# KiCad board HYDRA_VMM3_Adapter.kicad_pcb (continued)
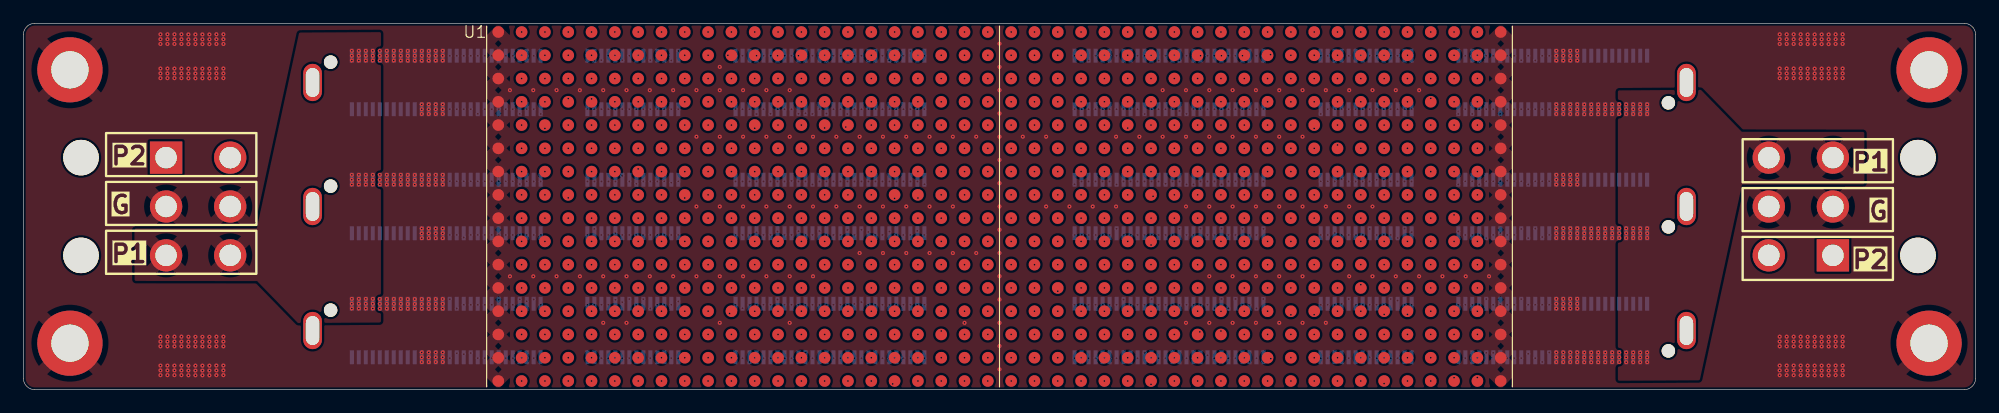
[diagram p0: board, top side]
## Nets (continued)
Col_19-Row_7: J5.B60 U1.295
Col_19-Row_8: J5.B59 U1.296
Col_19-Row_9: J5.A63 U1.297
Col_19-Row_10: J5.A64 U1.298
Col_19-Row_11: J6.B61 U1.299
Col_19-Row_12: J6.B60 U1.300
Col_19-Row_13: J6.B59 U1.301
Col_19-Row_14: J6.A59 U1.302
Col_19-Row_15: J6.A60 U1.303
Col_19-Row_16: J6.A61 U1.304
Col_20-Row_1: J4.B69 U1.305
Col_20-Row_2: J4.B70 U1.306
Col_20-Row_3: J4.A59 U1.307
Col_20-Row_4: J4.A60 U1.308
Col_20-Row_5: J4.A58 U1.309
Col_20-Row_6: J5.B64 U1.310
Col_20-Row_7: J5.B63 U1.311
Col_20-Row_8: J5.B62 U1.312
Col_20-Row_9: J5.A65 U1.313
Col_20-Row_10: J5.A66 U1.314
Col_20-Row_11: J6.B64 U1.315
Col_20-Row_12: J6.B63 U1.316
Col_20-Row_13: J6.B62 U1.317
Col_20-Row_14: J6.A62 U1.318
Col_20-Row_15: J6.A63 U1.319
Col_20-Row_16: J6.A64 U1.320
Col_21-Row_1: J4.A63 U1.321
Col_21-Row_2: J4.A64 U1.322
Col_21-Row_3: J4.A65 U1.323
Col_21-Row_4: J4.A62 U1.324
Col_21-Row_5: J4.A61 U1.325
Col_21-Row_6: J5.B67 U1.326
Col_21-Row_7: J5.B66 U1.327
Col_21-Row_8: J5.B65 U1.328
Col_21-Row_9: J5.A67 U1.329
Col_21-Row_10: J5.A68 U1.330
Col_21-Row_11: J6.B67 U1.331
Col_21-Row_12: J6.B66 U1.332
Col_21-Row_13: J6.B65 U1.333
Col_21-Row_14: J6.A65 U1.334
Col_21-Row_15: J6.A66 U1.335
Col_21-Row_16: J6.A67 U1.336
Col_22-Row_1: J4.A68 U1.337
Col_22-Row_2: J4.A69 U1.338
Col_22-Row_3: J4.A70 U1.339
Col_22-Row_4: J4.A67 U1.340
Col_22-Row_5: J4.A66 U1.341
Col_22-Row_6: J5.B70 U1.342
Col_22-Row_7: J5.B69 U1.343
Col_22-Row_8: J5.B68 U1.344
Col_22-Row_9: J5.A69 U1.345
Col_22-Row_10: J5.A70 U1.346
Col_22-Row_11: J6.B70 U1.347
Col_22-Row_12: J6.B69 U1.348
Col_22-Row_13: J6.B68 U1.349
Col_22-Row_14: J6.A68 U1.350
Col_22-Row_15: J6.A69 U1.351
Col_22-Row_16: J6.A70 U1.352
Col_23-Row_1: J1.B68 U1.353
Col_23-Row_2: J1.B69 U1.354
Col_23-Row_3: J1.B70 U1.355
Col_23-Row_4: J1.B67 U1.356
Col_23-Row_5: J1.B66 U1.357
Col_23-Row_6: J2.A68 U1.358
Col_23-Row_7: J2.A69 U1.359
Col_23-Row_8: J2.A70 U1.360
Col_23-Row_9: J2.B70 U1.361
Col_23-Row_10: J2.B69 U1.362
Col_23-Row_11: J3.A70 U1.363
Col_23-Row_12: J3.A69 U1.364
Col_23-Row_13: J3.A68 U1.365
Col_23-Row_14: J3.B68 U1.366
Col_23-Row_15: J3.B69 U1.367
Col_23-Row_16: J3.B70 U1.368
Col_24-Row_1: J1.B63 U1.369
Col_24-Row_2: J1.B64 U1.370
Col_24-Row_3: J1.B65 U1.371
Col_24-Row_4: J1.B62 U1.372
Col_24-Row_5: J1.B61 U1.373
Col_24-Row_6: J2.A65 U1.374
Col_24-Row_7: J2.A66 U1.375
Col_24-Row_8: J2.A67 U1.376
Col_24-Row_9: J2.B68 U1.377
Col_24-Row_10: J2.B67 U1.378
Col_24-Row_11: J3.A67 U1.379
Col_24-Row_12: J3.A66 U1.380
Col_24-Row_13: J3.A65 U1.381
Col_24-Row_14: J3.B65 U1.382
Col_24-Row_15: J3.B66 U1.383
Col_24-Row_16: J3.B67 U1.384
Col_25-Row_1: J1.A69 U1.385
Col_25-Row_2: J1.A70 U1.386
Col_25-Row_3: J1.B59 U1.387
Col_25-Row_4: J1.B60 U1.388
Col_25-Row_5: J1.B58 U1.389
Col_25-Row_6: J2.A62 U1.390
Col_25-Row_7: J2.A63 U1.391
Col_25-Row_8: J2.A64 U1.392
Col_25-Row_9: J2.B66 U1.393
Col_25-Row_10: J2.B65 U1.394
Col_25-Row_11: J3.A64 U1.395
Col_25-Row_12: J3.A63 U1.396
Col_25-Row_13: J3.A62 U1.397
Col_25-Row_14: J3.B62 U1.398
Col_25-Row_15: J3.B63 U1.399
Col_25-Row_16: J3.B64 U1.400
Col_26-Row_1: J1.A66 U1.401
Col_26-Row_2: J1.A67 U1.402
Col_26-Row_3: J1.A68 U1.403
Col_26-Row_4: J1.B57 U1.404
Col_26-Row_5: J1.B56 U1.405
Col_26-Row_6: J2.A59 U1.406
Col_26-Row_7: J2.A60 U1.407
Col_26-Row_8: J2.A61 U1.408
Col_26-Row_9: J2.B64 U1.409
Col_26-Row_10: J2.B63 U1.410
Col_26-Row_11: J3.A61 U1.411
Col_26-Row_12: J3.A60 U1.412
Col_26-Row_13: J3.A59 U1.413
Col_26-Row_14: J3.B59 U1.414
Col_26-Row_15: J3.B60 U1.415
Col_26-Row_16: J3.B61 U1.416
Col_27-Row_1: J1.A63 U1.417
Col_27-Row_2: J1.A64 U1.418
Col_27-Row_3: J1.A65 U1.419
Col_27-Row_4: J1.B55 U1.420
Col_27-Row_5: J1.B54 U1.421
Col_27-Row_6: J2.A56 U1.422
Col_27-Row_7: J2.A57 U1.423
Col_27-Row_8: J2.A58 U1.424
Col_27-Row_9: J2.B62 U1.425
Col_27-Row_10: J2.B61 U1.426
Col_27-Row_11: J3.A58 U1.427
Col_27-Row_12: J3.A57 U1.428
Col_27-Row_13: J3.A56 U1.429
Col_27-Row_14: J3.B56 U1.430
Col_27-Row_15: J3.B57 U1.431
Col_27-Row_16: J3.B58 U1.432
Col_28-Row_1: J1.A60 U1.433
Col_28-Row_2: J1.A61 U1.434
Col_28-Row_3: J1.A62 U1.435
Col_28-Row_4: J1.B53 U1.436
Col_28-Row_5: J1.B52 U1.437
Col_28-Row_6: J2.A53 U1.438
Col_28-Row_7: J2.A54 U1.439
Col_28-Row_8: J2.A55 U1.440
Col_28-Row_9: J2.B60 U1.441
Col_28-Row_10: J2.B59 U1.442
Col_28-Row_11: J3.A55 U1.443
Col_28-Row_12: J3.A54 U1.444
Col_28-Row_13: J3.A53 U1.445
Col_28-Row_14: J3.B53 U1.446
Col_28-Row_15: J3.B54 U1.447
Col_28-Row_16: J3.B55 U1.448
Col_29-Row_1: J1.A57 U1.449
Col_29-Row_2: J1.A58 U1.450
Col_29-Row_3: J1.A59 U1.451
Col_29-Row_4: J1.B51 U1.452
Col_29-Row_5: J1.B50 U1.453
Col_29-Row_6: J2.A50 U1.454
Col_29-Row_7: J2.A51 U1.455
Col_29-Row_8: J2.A52 U1.456
Col_29-Row_9: J2.B58 U1.457
Col_29-Row_10: J2.B57 U1.458
Col_29-Row_11: J3.A52 U1.459
Col_29-Row_12: J3.A51 U1.460
Col_29-Row_13: J3.A50 U1.461
Col_29-Row_14: J3.B50 U1.462
Col_29-Row_15: J3.B51 U1.463
Col_29-Row_16: J3.B52 U1.464
Col_30-Row_1: J1.A54 U1.465
Col_30-Row_2: J1.A55 U1.466
Col_30-Row_3: J1.A56 U1.467
Col_30-Row_4: J1.B49 U1.468
Col_30-Row_5: J1.B48 U1.469
Col_30-Row_6: J2.A47 U1.470
Col_30-Row_7: J2.A48 U1.471
Col_30-Row_8: J2.A49 U1.472
Col_30-Row_9: J2.B56 U1.473
Col_30-Row_10: J2.B55 U1.474
Col_30-Row_11: J2.B54 U1.475
Col_30-Row_12: J3.A49 U1.476
Col_30-Row_13: J3.A48 U1.477
Col_30-Row_14: J3.B47 U1.478
Col_30-Row_15: J3.B48 U1.479
Col_30-Row_16: J3.B49 U1.480
Col_31-Row_1: J1.A51 U1.481
Col_31-Row_2: J1.A52 U1.482
Col_31-Row_3: J1.A53 U1.483
Col_31-Row_4: J1.B47 U1.484
Col_31-Row_5: J1.B46 U1.485
Col_31-Row_6: J2.A44 U1.486
Col_31-Row_7: J2.A45 U1.487
Col_31-Row_8: J2.A46 U1.488
Col_31-Row_9: J2.B53 U1.489
Col_31-Row_10: J2.B52 U1.490
Col_31-Row_11: J2.B51 U1.491
Col_31-Row_12: J3.A47 U1.492
Col_31-Row_13: J3.A46 U1.493
Col_31-Row_14: J3.B44 U1.494
Col_31-Row_15: J3.B45 U1.495
Col_31-Row_16: J3.B46 U1.496
Col_32-Row_1: J1.A48 U1.497
Col_32-Row_2: J1.A49 U1.498
Col_32-Row_3: J1.A50 U1.499
Col_32-Row_4: J1.B45 U1.500
Col_32-Row_5: J1.B44 U1.501
Col_32-Row_6: J2.A41 U1.502
Col_32-Row_7: J2.A42 U1.503
Col_32-Row_8: J2.A43 U1.504
Col_32-Row_9: J2.B50 U1.505
Col_32-Row_10: J2.B49 U1.506
Col_32-Row_11: J2.B48 U1.507
Col_32-Row_12: J3.A45 U1.508
Col_32-Row_13: J3.A44 U1.509
Col_32-Row_14: J3.B41 U1.510
Col_32-Row_15: J3.B42 U1.511
Col_32-Row_16: J3.B43 U1.512
Col_33-Row_1: J1.A45 U1.513
Col_33-Row_2: J1.A46 U1.514
Col_33-Row_3: J1.A47 U1.515
Col_33-Row_4: J1.B43 U1.516
Col_33-Row_5: J1.B42 U1.517
Col_33-Row_6: J2.A38 U1.518
Col_33-Row_7: J2.A39 U1.519
Col_33-Row_8: J2.A40 U1.520
Col_33-Row_9: J2.B47 U1.521
Col_33-Row_10: J2.B46 U1.522
Col_33-Row_11: J2.B45 U1.523
Col_33-Row_12: J3.A43 U1.524
Col_33-Row_13: J3.A42 U1.525
Col_33-Row_14: J3.B38 U1.526
Col_33-Row_15: J3.B39 U1.527
Col_33-Row_16: J3.B40 U1.528
Col_34-Row_1: J1.A42 U1.529
Col_34-Row_2: J1.A43 U1.530
Col_34-Row_3: J1.A44 U1.531
Col_34-Row_4: J1.B41 U1.532
Col_34-Row_5: J1.B40 U1.533
Col_34-Row_6: J2.A35 U1.534
Col_34-Row_7: J2.A36 U1.535
Col_34-Row_8: J2.A37 U1.536
Col_34-Row_9: J2.B44 U1.537
Col_34-Row_10: J2.B43 U1.538
Col_34-Row_11: J2.B42 U1.539
Col_34-Row_12: J3.A41 U1.540
Col_34-Row_13: J3.A40 U1.541
Col_34-Row_14: J3.B35 U1.542
Col_34-Row_15: J3.B36 U1.543
Col_34-Row_16: J3.B37 U1.544
Col_35-Row_1: J1.A39 U1.545
Col_35-Row_2: J1.A40 U1.546
Col_35-Row_3: J1.A41 U1.547
Col_35-Row_4: J1.B39 U1.548
Col_35-Row_5: J1.B38 U1.549
Col_35-Row_6: J2.A32 U1.550
Col_35-Row_7: J2.A33 U1.551
Col_35-Row_8: J2.A34 U1.552
Col_35-Row_9: J2.B41 U1.553
Col_35-Row_10: J2.B40 U1.554
Col_35-Row_11: J2.B39 U1.555
Col_35-Row_12: J3.A39 U1.556
Col_35-Row_13: J3.A38 U1.557
Col_35-Row_14: J3.B32 U1.558
Col_35-Row_15: J3.B33 U1.559
Col_35-Row_16: J3.B34 U1.560
Col_36-Row_1: J1.A36 U1.561
Col_36-Row_2: J1.A37 U1.562
Col_36-Row_3: J1.A38 U1.563
Col_36-Row_4: J1.B37 U1.564
Col_36-Row_5: J1.B36 U1.565
Col_36-Row_6: J2.A29 U1.566
Col_36-Row_7: J2.A30 U1.567
Col_36-Row_8: J2.A31 U1.568
Col_36-Row_9: J2.B38 U1.569
Col_36-Row_10: J2.B37 U1.570
Col_36-Row_11: J2.B36 U1.571
Col_36-Row_12: J3.A37 U1.572
Col_36-Row_13: J3.A36 U1.573
Col_36-Row_14: J3.B29 U1.574
Col_36-Row_15: J3.B30 U1.575
Col_36-Row_16: J3.B31 U1.576
Col_37-Row_1: J1.A33 U1.577
Col_37-Row_2: J1.A34 U1.578
Col_37-Row_3: J1.A35 U1.579
Col_37-Row_4: J1.B33 U1.580
Col_37-Row_5: J1.B34 U1.581
Col_37-Row_6: J1.B35 U1.582
Col_37-Row_7: J2.A27 U1.583
Col_37-Row_8: J2.A28 U1.584
Col_37-Row_9: J2.B35 U1.585
Col_37-Row_10: J2.B34 U1.586
Col_37-Row_11: J2.B33 U1.587
Col_37-Row_12: J3.A35 U1.588
Col_37-Row_13: J3.A34 U1.589
Col_37-Row_14: J3.B26 U1.590
Col_37-Row_15: J3.B27 U1.591
Col_37-Row_16: J3.B28 U1.592
Col_38-Row_1: J1.A29 U1.593
Col_38-Row_2: J1.A31 U1.594
Col_38-Row_3: J1.A32 U1.595
Col_38-Row_4: J1.B30 U1.596
Col_38-Row_5: J1.B31 U1.597
Col_38-Row_6: J1.B32 U1.598
Col_38-Row_7: J2.A25 U1.599
Col_38-Row_8: J2.A26 U1.600
Col_38-Row_9: J2.B32 U1.601
Col_38-Row_10: J2.B31 U1.602
Col_38-Row_11: J2.B30 U1.603
Col_38-Row_12: J3.A33 U1.604
Col_38-Row_13: J3.A32 U1.605
Col_38-Row_14: J3.B23 U1.606
Col_38-Row_15: J3.B24 U1.607
Col_38-Row_16: J3.B25 U1.608
Col_39-Row_1: J1.A27 U1.609
Col_39-Row_2: J1.A28 U1.610
Col_39-Row_3: J1.A30 U1.611
Col_39-Row_4: J1.B27 U1.612
Col_39-Row_5: J1.B28 U1.613
Col_39-Row_6: J1.B29 U1.614
Col_39-Row_7: J2.A23 U1.615
Col_39-Row_8: J2.A24 U1.616
Col_39-Row_9: J2.B29 U1.617
Col_39-Row_10: J2.B28 U1.618
Col_39-Row_11: J2.B27 U1.619
Col_39-Row_12: J3.A31 U1.620
Col_39-Row_13: J3.A30 U1.621
Col_39-Row_14: J3.B20 U1.622
Col_39-Row_15: J3.B21 U1.623
Col_39-Row_16: J3.B22 U1.624
Col_40-Row_1: J1.A24 U1.625
Col_40-Row_2: J1.A25 U1.626
Col_40-Row_3: J1.A26 U1.627
Col_40-Row_4: J1.B24 U1.628
Col_40-Row_5: J1.B25 U1.629
Col_40-Row_6: J1.B26 U1.630
Col_40-Row_7: J2.A21 U1.631
Col_40-Row_8: J2.A22 U1.632
Col_40-Row_9: J2.B26 U1.633
Col_40-Row_10: J2.B25 U1.634
Col_40-Row_11: J2.B24 U1.635
Col_40-Row_12: J3.A29 U1.636
Col_40-Row_13: J3.A28 U1.637
Col_40-Row_14: J3.B17 U1.638
Col_40-Row_15: J3.B18 U1.639
Col_40-Row_16: J3.B19 U1.640
Col_41-Row_1: J1.A21 U1.641
Col_41-Row_2: J1.A22 U1.642
Col_41-Row_3: J1.A23 U1.643
Col_41-Row_4: J1.B21 U1.644
Col_41-Row_5: J1.B22 U1.645
Col_41-Row_6: J1.B23 U1.646
Col_41-Row_7: J2.A19 U1.647
Col_41-Row_8: J2.A20 U1.648
Col_41-Row_9: J2.B23 U1.649
Col_41-Row_10: J2.B22 U1.650
Col_41-Row_11: J2.B21 U1.651
Col_41-Row_12: J3.A27 U1.652
Col_41-Row_13: J3.A26 U1.653
Col_41-Row_14: J3.A21 U1.654
Col_41-Row_15: J3.B15 U1.655
Col_41-Row_16: J3.B16 U1.656
Col_42-Row_1: J1.A18 U1.657
Col_42-Row_2: J1.A19 U1.658
Col_42-Row_3: J1.A20 U1.659
Col_42-Row_4: J1.B18 U1.660
Col_42-Row_5: J1.B19 U1.661
Col_42-Row_6: J1.B20 U1.662
Col_42-Row_7: J2.A17 U1.663
Col_42-Row_8: J2.A18 U1.664
Col_42-Row_9: J2.B20 U1.665
Col_42-Row_10: J2.B19 U1.666
Col_42-Row_11: J2.B18 U1.667
Col_42-Row_12: J3.A25 U1.668
Col_42-Row_13: J3.A24 U1.669
Col_42-Row_14: J3.A18 U1.670
Col_42-Row_15: J3.A19 U1.671
Col_42-Row_16: J3.A20 U1.672
Col_43-Row_1: J1.A15 U1.673
Col_43-Row_2: J1.A16 U1.674
Col_43-Row_3: J1.A17 U1.675
Col_43-Row_4: J1.B15 U1.676
Col_43-Row_5: J1.B16 U1.677
Col_43-Row_6: J1.B17 U1.678
Col_43-Row_7: J2.A15 U1.679
Col_43-Row_8: J2.A16 U1.680
Col_43-Row_9: J2.B17 U1.681
Col_43-Row_10: J2.B16 U1.682
Col_43-Row_11: J2.B15 U1.683
Col_43-Row_12: J3.A23 U1.684
Col_43-Row_13: J3.A22 U1.685
Col_43-Row_14: J3.A15 U1.686
Col_43-Row_15: J3.A16 U1.687
Col_43-Row_16: J3.A17 U1.688
P1A: Input_A1.3 Input_A1.6 J4.B1 J4.B2 J4.B3 J4.B4 J5.B1 J5.B2 J5.B3 J5.B4 J6.B1 J6.B2 J6.B3 J6.B4
P1B: Input_B1.3 Input_B1.6 J1.B1 J1.B2 J1.B3 J1.B4 J2.B1 J2.B2 J2.B3 J2.B4 J3.B1 J3.B2 J3.B3 J3.B4
P2A: Input_A1.1 Input_A1.4 J4.A1 J4.A2 J4.A3 J4.A4 J4.A5 J4.A6 J4.A7 J4.A8 J4.A9 J4.A10 J5.A1 J5.A2 J5.A3 J5.A4 J5.A5 J5.A6 J5.A7 J5.A8 J5.A9 J5.A10 J6.A1 J6.A2 J6.A3 J6.A4 J6.A5 J6.A6 J6.A7 J6.A8 J6.A9 J6.A10
P2B: Input_B1.1 Input_B1.4 J1.A1 J1.A2 J1.A3 J1.A4 J1.A5 J1.A6 J1.A7 J1.A8 J1.A9 J1.A10 J2.A1 J2.A2 J2.A3 J2.A4 J2.A5 J2.A6 J2.A7 J2.A8 J2.A9 J2.A10 J3.A1 J3.A2 J3.A3 J3.A4 J3.A5 J3.A6 J3.A7 J3.A8 J3.A9 J3.A10

Pads without a net: J1 SH1; J2 SH1; J3 SH1; J4 SH1; J5 SH1; J6 SH1

## Via types
v1: diameter 0.35, hole 0.15, Top to In1.Cu, 238 vias
v2: diameter 0.35, hole 0.15, In1.Cu to In5.Cu, 68 vias
v3: diameter 0.35, hole 0.15, In5.Cu to Bottom, 377 vias
v4: diameter 0.35, hole 0.15, Top to In3.Cu, 129 vias
v5: diameter 0.35, hole 0.15, In3.Cu to Bottom, 123 vias
v6: diameter 0.35, hole 0.15, In1.Cu to Bottom, 166 vias
v7: diameter 0.35, hole 0.15, Top to In5.Cu, 299 vias
v8: diameter 0.35, hole 0.15, Top to Bottom, 704 vias
v9: diameter 0.35, hole 0.15, In3.Cu to In5.Cu, 12 vias
v10: diameter 0.35, hole 0.15, In1.Cu to In3.Cu, 9 vias
v11: diameter 0.35, hole 0.15, In1.Cu to In6.Cu, 1 via

## Routing (per net, layer and track width the routed paths; a pad name or vN(x,y) marks a point on that pad's centre or on a via; arc(x,y) is an arc through that point)
GND:
  vias: v8(11.76,30.55) v8(11.76,30.13) v8(11.76,29.72) v8(11.76,27.61) v8(11.76,27.19) v8(11.76,26.78) v8(11.76,4.56) v8(11.76,4.14) v8(11.76,3.73) v8(11.76,2.08) v8(11.76,1.66) v8(11.76,1.25) v8(12.36,30.55) v8(12.36,30.13) v8(12.36,29.72) v8(12.36,27.61) v8(12.36,27.19) v8(12.36,26.78) v8(12.36,4.56) v8(12.36,4.14) v8(12.36,3.73) v8(12.36,2.08) v8(12.36,1.66) v8(12.36,1.25) v8(12.96,30.55) v8(12.96,30.13) v8(12.96,29.72) v8(12.96,27.61) v8(12.96,27.19) v8(12.96,26.78) v8(12.96,4.56) v8(12.96,4.14) v8(12.96,3.73) v8(12.96,2.08) v8(12.96,1.66) v8(12.96,1.25) v8(13.57,30.55) v8(13.57,30.13) v8(13.57,29.72) v8(13.57,27.61) v8(13.57,27.19) v8(13.57,26.78) v8(13.57,4.56) v8(13.57,4.14) v8(13.57,3.73) v8(13.57,2.08) v8(13.57,1.66) v8(13.57,1.25) v8(14.17,30.54) v8(14.17,30.12) v8(14.17,29.71) v8(14.17,27.6) v8(14.17,27.18) v8(14.17,26.77) v8(14.17,4.55) v8(14.17,4.13) v8(14.17,3.72) v8(14.17,2.07) v8(14.17,1.65) v8(14.17,1.24) v8(14.76,30.54) v8(14.76,30.12) v8(14.76,29.71) v8(14.76,27.6) v8(14.76,27.18) v8(14.76,26.77) v8(14.76,4.55) v8(14.76,4.13) v8(14.76,3.72) v8(14.76,2.07) v8(14.76,1.65) v8(14.76,1.24) v8(15.36,30.54) v8(15.36,30.12) v8(15.36,29.71) v8(15.36,27.6) v8(15.36,27.18) v8(15.36,26.77) v8(15.36,4.55) v8(15.36,4.13) v8(15.36,3.72) v8(15.36,2.07) v8(15.36,1.65) v8(15.36,1.24) v8(15.96,30.54) v8(15.96,30.12) v8(15.96,29.71) v8(15.96,27.6) v8(15.96,27.18) v8(15.96,26.77) v8(15.96,4.55) v8(15.96,4.13) v8(15.96,3.72) v8(15.96,2.07) v8(15.96,1.65) v8(15.96,1.24) v8(16.57,30.55) v8(16.57,30.13) v8(16.57,29.72) v8(16.57,27.61) v8(16.57,27.19) v8(16.57,26.78) v8(16.57,4.56) v8(16.57,4.14) v8(16.57,3.73) v8(16.57,2.08) v8(16.57,1.66) v8(16.57,1.25) v8(17.17,30.55) v8(17.17,30.13) v8(17.17,29.72) v8(17.17,27.61) v8(17.17,27.19) v8(17.17,26.78) v8(17.17,4.56) v8(17.17,4.14) v8(17.17,3.73) v8(17.17,2.08) v8(17.17,1.66) v8(17.17,1.25) v8(30.58,29.13) v8(30.58,28.71) v8(30.58,28.3) v8(30.58,18.47) v8(30.58,18.05) v8(30.58,17.64) v8(30.58,7.8) v8(30.58,7.38) v8(30.58,6.97) v8(31.18,29.13) v8(31.18,28.71) v8(31.18,28.3) v8(31.18,18.47) v8(31.18,18.05) v8(31.18,17.64) v8(31.18,7.8) v8(31.18,7.38) v8(31.18,6.97) v8(31.79,29.13) v8(31.79,28.71) v8(31.79,28.3) v8(31.79,18.47) v8(31.79,18.05) v8(31.79,17.64) v8(31.79,7.8) v8(31.79,7.38) v8(31.79,6.97) v8(32.39,29.13) v8(32.39,28.71) v8(32.39,28.3) v8(32.39,18.47) v8(32.39,18.05) v8(32.39,17.64) v8(32.39,7.8) v8(32.39,7.38) v8(32.39,6.97) v8(32.98,29.12) v8(32.98,28.7) v8(32.98,28.29) v8(32.98,18.46) v8(32.98,18.04) v8(32.98,17.63) v8(32.98,7.79) v8(32.98,7.37) v8(32.98,6.96) v8(33.58,29.12) v8(33.58,28.7) v8(33.58,28.29) v8(33.58,18.46) v8(33.58,18.04) v8(33.58,17.63) v8(33.58,7.79) v8(33.58,7.37) v8(33.58,6.96) v8(34.19,29.12) v8(34.19,28.7) v8(34.19,28.29) v8(34.19,24.53) v8(34.19,24.11) v8(34.19,23.7) v8(34.19,18.46) v8(34.19,18.04) v8(34.19,17.63) v8(34.19,13.86) v8(34.19,13.44) v8(34.19,13.03) v8(34.19,7.79) v8(34.19,7.37) v8(34.19,6.96) v8(34.19,3.21) v8(34.19,2.79) v8(34.19,2.38) v8(34.78,29.12) v8(34.78,28.7) v8(34.78,28.29) v8(34.78,24.53) v8(34.78,24.11) v8(34.78,23.7) v8(34.78,18.46) v8(34.78,18.04) v8(34.78,17.63) v8(34.78,13.86) v8(34.78,13.44) v8(34.78,13.03) v8(34.78,7.79) v8(34.78,7.37) v8(34.78,6.96) v8(34.78,3.21) v8(34.78,2.79) v8(34.78,2.38) v8(35.39,29.13) v8(35.39,28.71) v8(35.39,28.3) v8(35.39,24.53) v8(35.39,24.11) v8(35.39,23.7) v8(35.39,18.47) v8(35.39,18.05) v8(35.39,17.64) v8(35.39,13.86) v8(35.39,13.44) v8(35.39,13.03) v8(35.39,7.8) v8(35.39,7.38) v8(35.39,6.97) v8(35.39,3.21) v8(35.39,2.79) v8(35.39,2.38) v8(35.98,29.13) v8(35.98,28.71) v8(35.98,28.3) v8(35.98,24.53) v8(35.98,24.11) v8(35.98,23.7) v8(35.98,18.47) v8(35.98,18.05) v8(35.98,17.64) v8(35.98,13.86) v8(35.98,13.44) v8(35.98,13.03) v8(35.98,7.8) v8(35.98,7.38) v8(35.98,6.97) v8(35.98,3.21) v8(35.98,2.79) v8(35.98,2.38) v8(41.75,25.75) v8(41.75,9.75) v8(43.75,25.75) v8(43.75,9.75) v8(45.75,25.75) v8(45.75,9.75) v8(47.75,25.75) v8(47.75,9.75) v8(49.75,25.75) v8(49.75,9.75) v8(49.75,5.75) v8(51.75,25.75) v8(51.75,9.75) v8(51.75,5.75) v8(53.75,25.75) v8(53.75,9.75) v8(55.75,25.75) v8(55.75,9.75) v8(57.75,25.75) v8(57.75,21.75) v8(57.75,15.75) v8(57.75,9.75) v8(59.75,27.75) v8(59.75,25.75) v8(59.75,21.75) v8(59.75,15.75) v8(59.75,9.75) v8(59.75,5.75) v8(61.75,25.75) v8(61.75,21.75) v8(61.75,15.75) v8(61.75,9.75) v8(63.75,25.75) v8(63.75,21.75) v8(63.75,15.75) v8(63.75,9.75) v8(65.75,25.75) v8(65.75,21.75) v8(65.75,15.75) v8(65.75,9.75) v8(65.75,5.75) v8(67.75,21.75) v8(67.75,15.75) v8(67.75,9.75) v8(69.75,21.75) v8(69.75,15.75) v8(71.75,21.75) v8(71.75,15.75) v8(71.75,11.75) v8(73.75,21.75) v8(73.75,15.75) v8(73.75,11.75) v8(75.75,21.75) v8(75.75,15.75) v8(75.75,11.75) v8(77.75,21.75) v8(77.75,15.75) v8(77.75,11.75) v8(79.75,21.75) v8(79.75,15.75) v8(79.75,11.75) v8(80.75,5.75) v8(81.75,21.75) v8(81.75,11.75) v8(83.75,29.75) v8(83.75,27.75) v8(83.75,25.75) v8(83.75,23.75) v8(83.75,21.75) v8(83.75,19.75) v8(83.75,17.75) v8(83.75,15.75) v8(83.75,13.75) v8(83.75,11.75) v8(83.75,9.75) v8(83.75,7.75) v8(83.75,5.75) v8(83.75,3.75) v8(83.75,1.75) v8(85.75,21.75) v8(87.75,21.75) v8(87.75,15.75) v8(89.75,15.75) v8(91.75,15.75) v8(93.75,21.75) v8(93.75,15.75) v8(95.75,21.75) v8(97.75,25.75) v8(97.75,21.75) v8(99.75,25.75) v8(99.75,21.75) v8(99.75,15.75) v8(99.75,5.75) v8(101.75,25.75) v8(101.75,21.75) v8(101.75,15.75) v8(101.75,9.75) v8(101.75,5.75) v8(103.75,25.75) v8(103.75,21.75) v8(103.75,15.75) v8(103.75,9.75) v8(103.75,5.75) v8(105.75,25.75) v8(105.75,21.75) v8(105.75,15.75) v8(105.75,9.75) v8(105.75,5.75) v8(107.75,25.75) v8(107.75,21.75) v8(107.75,15.75) v8(107.75,9.75) v8(107.75,5.75) v8(109.75,25.75) v8(109.75,21.75) v8(109.75,15.75) v8(109.75,9.75) v8(109.75,5.75) v8(111.75,25.75) v8(111.75,15.75) v8(111.75,5.75) v8(113.75,25.75) v8(113.75,15.75) v8(113.75,9.75) v8(115.75,25.75) v8(115.75,15.75) v8(115.75,9.75) v8(117.75,25.75) v8(117.75,9.75) v8(119.75,25.75) v8(119.75,9.75) v8(121.75,9.75) v8(123.75,9.75) v8(125.75,9.75) v8(131.51,29.13) v8(131.51,28.71) v8(131.51,28.3) v8(131.51,24.53) v8(131.51,24.11) v8(131.51,23.7) v8(131.51,18.47) v8(131.51,18.05) v8(131.51,17.64) v8(131.51,13.87) v8(131.51,13.45) v8(131.51,13.04) v8(131.51,7.81) v8(131.51,7.39) v8(131.51,6.98) v8(131.51,3.21) v8(131.51,2.79) v8(131.51,2.38) v8(132.11,29.13) v8(132.11,28.71) v8(132.11,28.3) v8(132.11,24.53) v8(132.11,24.11) v8(132.11,23.7) v8(132.11,18.47) v8(132.11,18.05) v8(132.11,17.64) v8(132.11,13.87) v8(132.11,13.45) v8(132.11,13.04) v8(132.11,7.81) v8(132.11,7.39) v8(132.11,6.98) v8(132.11,3.21) v8(132.11,2.79) v8(132.11,2.38) v8(132.71,29.13) v8(132.71,28.71) v8(132.71,28.3) v8(132.71,24.53) v8(132.71,24.11) v8(132.71,23.7) v8(132.71,18.47) v8(132.71,18.05) v8(132.71,17.64) v8(132.71,13.87) v8(132.71,13.45) v8(132.71,13.04) v8(132.71,7.81) v8(132.71,7.39) v8(132.71,6.98) v8(132.71,3.21) v8(132.71,2.79) v8(132.71,2.38) v8(133.31,29.13) v8(133.31,28.71) v8(133.31,28.3) v8(133.31,24.53) v8(133.31,24.11) v8(133.31,23.7) v8(133.31,18.47) v8(133.31,18.05) v8(133.31,17.64) v8(133.31,13.87) v8(133.31,13.45) v8(133.31,13.04) v8(133.31,7.81) v8(133.31,7.39) v8(133.31,6.98) v8(133.31,3.21) v8(133.31,2.79) v8(133.31,2.38) v8(133.91,24.52) v8(133.91,24.1) v8(133.91,23.69) v8(133.91,13.86) v8(133.91,13.44) v8(133.91,13.03) v8(133.91,3.2) v8(133.91,2.78) v8(133.91,2.37) v8(134.51,24.52) v8(134.51,24.1) v8(134.51,23.69) v8(134.51,13.86) v8(134.51,13.44) v8(134.51,13.03) v8(134.51,3.2) v8(134.51,2.78) v8(134.51,2.37) v8(135.11,24.52) v8(135.11,24.1) v8(135.11,23.69) v8(135.11,13.86) v8(135.11,13.44) v8(135.11,13.03) v8(135.11,3.2) v8(135.11,2.78) v8(135.11,2.37) v8(135.71,24.52) v8(135.71,24.1) v8(135.71,23.69) v8(135.71,13.86) v8(135.71,13.44) v8(135.71,13.03) v8(135.71,3.2) v8(135.71,2.78) v8(135.71,2.37) v8(136.31,24.53) v8(136.31,24.11) v8(136.31,23.7) v8(136.31,13.87) v8(136.31,13.45) v8(136.31,13.04) v8(136.31,3.21) v8(136.31,2.79) v8(136.31,2.38) v8(136.91,24.53) v8(136.91,24.11) v8(136.91,23.7) v8(136.91,13.87) v8(136.91,13.45) v8(136.91,13.04) v8(136.91,3.21) v8(136.91,2.79) v8(136.91,2.38) v8(150.69,30.55) v8(150.69,30.13) v8(150.69,29.72) v8(150.69,27.61) v8(150.69,27.19) v8(150.69,26.78) v8(150.69,4.56) v8(150.69,4.14) v8(150.69,3.73) v8(150.69,2.08) v8(150.69,1.66) v8(150.69,1.25) v8(151.28,30.55) v8(151.28,30.13) v8(151.28,29.72) v8(151.28,27.61) v8(151.28,27.19) v8(151.28,26.78) v8(151.28,4.56) v8(151.28,4.14) v8(151.28,3.73) v8(151.28,2.08) v8(151.28,1.66) v8(151.28,1.25) v8(151.88,30.55) v8(151.88,30.13) v8(151.88,29.72) v8(151.88,27.61) v8(151.88,27.19) v8(151.88,26.78) v8(151.88,4.56) v8(151.88,4.14) v8(151.88,3.73) v8(151.88,2.08) v8(151.88,1.66) v8(151.88,1.25) v8(152.48,30.55) v8(152.48,30.13) v8(152.48,29.72) v8(152.48,27.61) v8(152.48,27.19) v8(152.48,26.78) v8(152.48,4.56) v8(152.48,4.14) v8(152.48,3.73) v8(152.48,2.08) v8(152.48,1.66) v8(152.48,1.25) v8(153.08,30.54) v8(153.08,30.12) v8(153.08,29.71) v8(153.08,27.6) v8(153.08,27.18) v8(153.08,26.77) v8(153.08,4.55) v8(153.08,4.13) v8(153.08,3.72) v8(153.08,2.07) v8(153.08,1.65) v8(153.08,1.24) v8(153.69,30.54) v8(153.69,30.12) v8(153.69,29.71) v8(153.69,27.6) v8(153.69,27.18) v8(153.69,26.77) v8(153.69,4.55) v8(153.69,4.13) v8(153.69,3.72) v8(153.69,2.07) v8(153.69,1.65) v8(153.69,1.24) v8(154.28,30.54) v8(154.28,30.12) v8(154.28,29.71) v8(154.28,27.6) v8(154.28,27.18) v8(154.28,26.77) v8(154.28,4.55) v8(154.28,4.13) v8(154.28,3.72) v8(154.28,2.07) v8(154.28,1.65) v8(154.28,1.24) v8(154.88,30.54) v8(154.88,30.12) v8(154.88,29.71) v8(154.88,27.6) v8(154.88,27.18) v8(154.88,26.77) v8(154.88,4.55) v8(154.88,4.13) v8(154.88,3.72) v8(154.88,2.07) v8(154.88,1.65) v8(154.88,1.24) v8(155.48,30.55) v8(155.48,30.13) v8(155.48,29.72) v8(155.48,27.61) v8(155.48,27.19) v8(155.48,26.78) v8(155.48,4.56) v8(155.48,4.14) v8(155.48,3.73) v8(155.48,2.08) v8(155.48,1.66) v8(155.48,1.25) v8(156.08,30.55) v8(156.08,30.13) v8(156.08,29.72) v8(156.08,27.61) v8(156.08,27.19) v8(156.08,26.78) v8(156.08,4.56) v8(156.08,4.14) v8(156.08,3.73) v8(156.08,2.08) v8(156.08,1.66) v8(156.08,1.25)
Col_2-Row_1: length 7
  In1.Cu w0.1: v6(36.58,28.71) 38.62,30.75 v1(42.75,30.75)
Col_2-Row_2: length 6.1
  In1.Cu w0.1: v6(37.19,28.71) 37.86,28.04 42.04,28.04 v1(42.75,28.75)
Col_2-Row_3: length 5.8
  In5.Cu w0.1: v7(42.75,26.75) 39.75,26.75 v3(37.78,28.71)
Col_2-Row_4: length 6.4
  In1.Cu w0.1: v1(42.75,24.75) 37.22,24.75 v6(36.58,24.11)
Col_2-Row_5: length 6.1
  In3.Cu w0.1: v5(37.19,24.11) 38.55,22.75 v4(42.75,22.75)
Col_2-Row_6: length 6.4
  In1.Cu w0.1: v1(42.75,20.75) 41.14,20.75 v6(37.78,24.11)
Col_2-Row_7: length 5.9
  In1.Cu w0.1: v6(37.19,17.91) 38.03,18.75 v1(42.75,18.75)
Col_2-Row_8: length 6.8
  In1.Cu w0.1: v1(42.75,16.75) 42.54,16.54 37.96,16.54 v6(36.58,17.91)
Col_2-Row_9: length 6.8
  In1.Cu w0.1: v6(36.58,13.31) 38.03,14.75 v1(42.75,14.75)
Col_2-Row_10: length 6.1
  In1.Cu w0.1: v1(42.75,12.75) 41.79,13.71 37.58,13.71 v6(37.19,13.31)
Col_2-Row_11: length 6
  In1.Cu w0.1: v6(37.78,13.09) 37.78,12.96 39.99,10.75 v1(42.75,10.75)
Col_2-Row_12: length 2.4
  In5.Cu w0.1: v3(41.39,7.31) 41.39,8.04 42.09,8.75 v7(42.75,8.75)
Col_2-Row_13: length 2.4
  In1.Cu w0.1: v1(42.75,6.75) 41.78,6.75 v6(40.78,7.74)
Col_2-Row_14: length 7.4
  In1.Cu w0.1: v6(36.58,7.78) 37.06,7.78 40.09,4.75 v1(42.75,4.75)
Col_2-Row_15: length 8
  In1.Cu w0.1: v6(37.19,6.99) 37.19,5.84 40.28,2.75 v1(42.75,2.75)
Col_2-Row_16: length 10.1
  In3.Cu w0.1: v4(42.75,0.75) 40.23,0.75 37.78,3.2 v5(37.78,7.31)
Col_3-Row_1: length 7.2
  In1.Cu w0.1: v6(38.39,28.71) 39.87,30.2 44.2,30.2 v1(44.75,30.75)
Col_3-Row_2: length 7.1
  In1.Cu w0.1: v1(44.75,28.75) 43.56,27.56 v2(39.47,27.56)
  In5.Cu w0.1: v3(38.98,28.71) 38.98,28.04 v2(39.47,27.56)
Col_3-Row_3: length 6
  In3.Cu w0.1: v4(44.75,26.75) 44.13,27.37 40.92,27.37 v5(39.58,28.71)
Col_3-Row_4: length 6.6
  In1.Cu w0.1: v6(38.39,24.11) 38.62,24.35 44.35,24.35 v1(44.75,24.75)
Col_3-Row_5: length 6.3
  In1.Cu w0.1: v6(38.98,23.72) 39.47,23.24 43.42,23.24 44.2,22.46 v1(44.75,22.46)
Col_3-Row_6: length 6.6
  In5.Cu w0.1: v7(44.75,20.75) 42.95,20.75 v3(39.58,24.11)
Col_3-Row_7: length 7.6
  In1.Cu w0.1: v1(44.75,18.75) 44.3,19.2 38.85,19.2 v2(38.83,19.18)
  In5.Cu w0.1: v3(38.39,17.91) 38.39,18.74 v2(38.83,19.18)
Col_3-Row_8: length 7.4
  In1.Cu w0.1: v6(37.78,17.91) 38.52,17.17 44.33,17.17 v1(44.75,16.75)
Col_3-Row_9: length 7
  In3.Cu w0.1: v5(38.39,13.31) 39.83,14.75 v4(44.75,14.75)
Col_3-Row_10: length 6.3
  In1.Cu w0.1: v1(44.75,12.75) 44.32,12.32 39.97,12.32 v6(38.98,13.31)
Col_3-Row_11: length 6.2
  In5.Cu w0.1: v3(39.58,13.31) 42.14,10.75 v7(44.75,10.75)
Col_3-Row_12: length 2.6
  In5.Cu w0.1: v3(42.59,7.77) 43.56,8.75 v7(44.75,8.75)
Col_3-Row_13: length 3
  In1.Cu w0.1: v6(41.98,7.31) 42.72,7.31 43.28,6.75 v1(44.75,6.75)
Col_3-Row_14: length 7.4
  In1.Cu w0.1: v6(38.39,7.31) 40.38,5.32 44.18,5.32 v1(44.75,4.75)
Col_3-Row_15: length 8.8
  In1.Cu w0.1: v10(43.81,3.7) 43.81,3.69 v1(44.75,2.75)
  In3.Cu w0.1: v9(43.83,5.66) 43.81,5.65 v10(43.81,3.7)
  In5.Cu w0.1: v3(38.98,7.31) 40.64,5.66 v9(43.83,5.66)
Col_3-Row_16: length 8.7
  In3.Cu w0.1: v4(44.75,0.75) 39.58,5.91 v5(39.58,7.31)
Col_4-Row_1: length 7.4
  In3.Cu w0.1: v5(40.19,28.71) 42.23,30.75 v4(46.75,30.75)
Col_4-Row_2: length 6.5
  In1.Cu w0.1: v6(40.78,28.71) 41.47,29.39 46.11,29.39 v1(46.75,28.75)
Col_4-Row_3: length 6.2
  In5.Cu w0.1: v3(41.39,28.71) 43.34,26.75 v7(46.75,26.75)
Col_4-Row_4: length 6.9
  In3.Cu w0.1: v4(46.75,25.03) 41.11,25.03 v5(40.19,24.11)
Col_4-Row_5: length 6.5
  In5.Cu w0.1: v7(46.75,22.75) 42.14,22.75 v3(40.78,24.11)
Col_4-Row_6: length 6.8
  In3.Cu w0.1: v4(46.75,20.75) 44.38,23.12 42.37,23.12 v5(41.39,24.11)
Col_4-Row_7: length 7.9
  In3.Cu w0.1: v4(46.75,18.75) 46.33,19.17 40.84,19.17 v5(39.58,17.91)
Col_4-Row_8: length 8.5
  In5.Cu w0.1: v3(38.98,17.91) 40.6,16.29 46.55,16.29 v7(46.75,16.49)
